# Allegro board S071AA-0413-20260427.brd (continued)
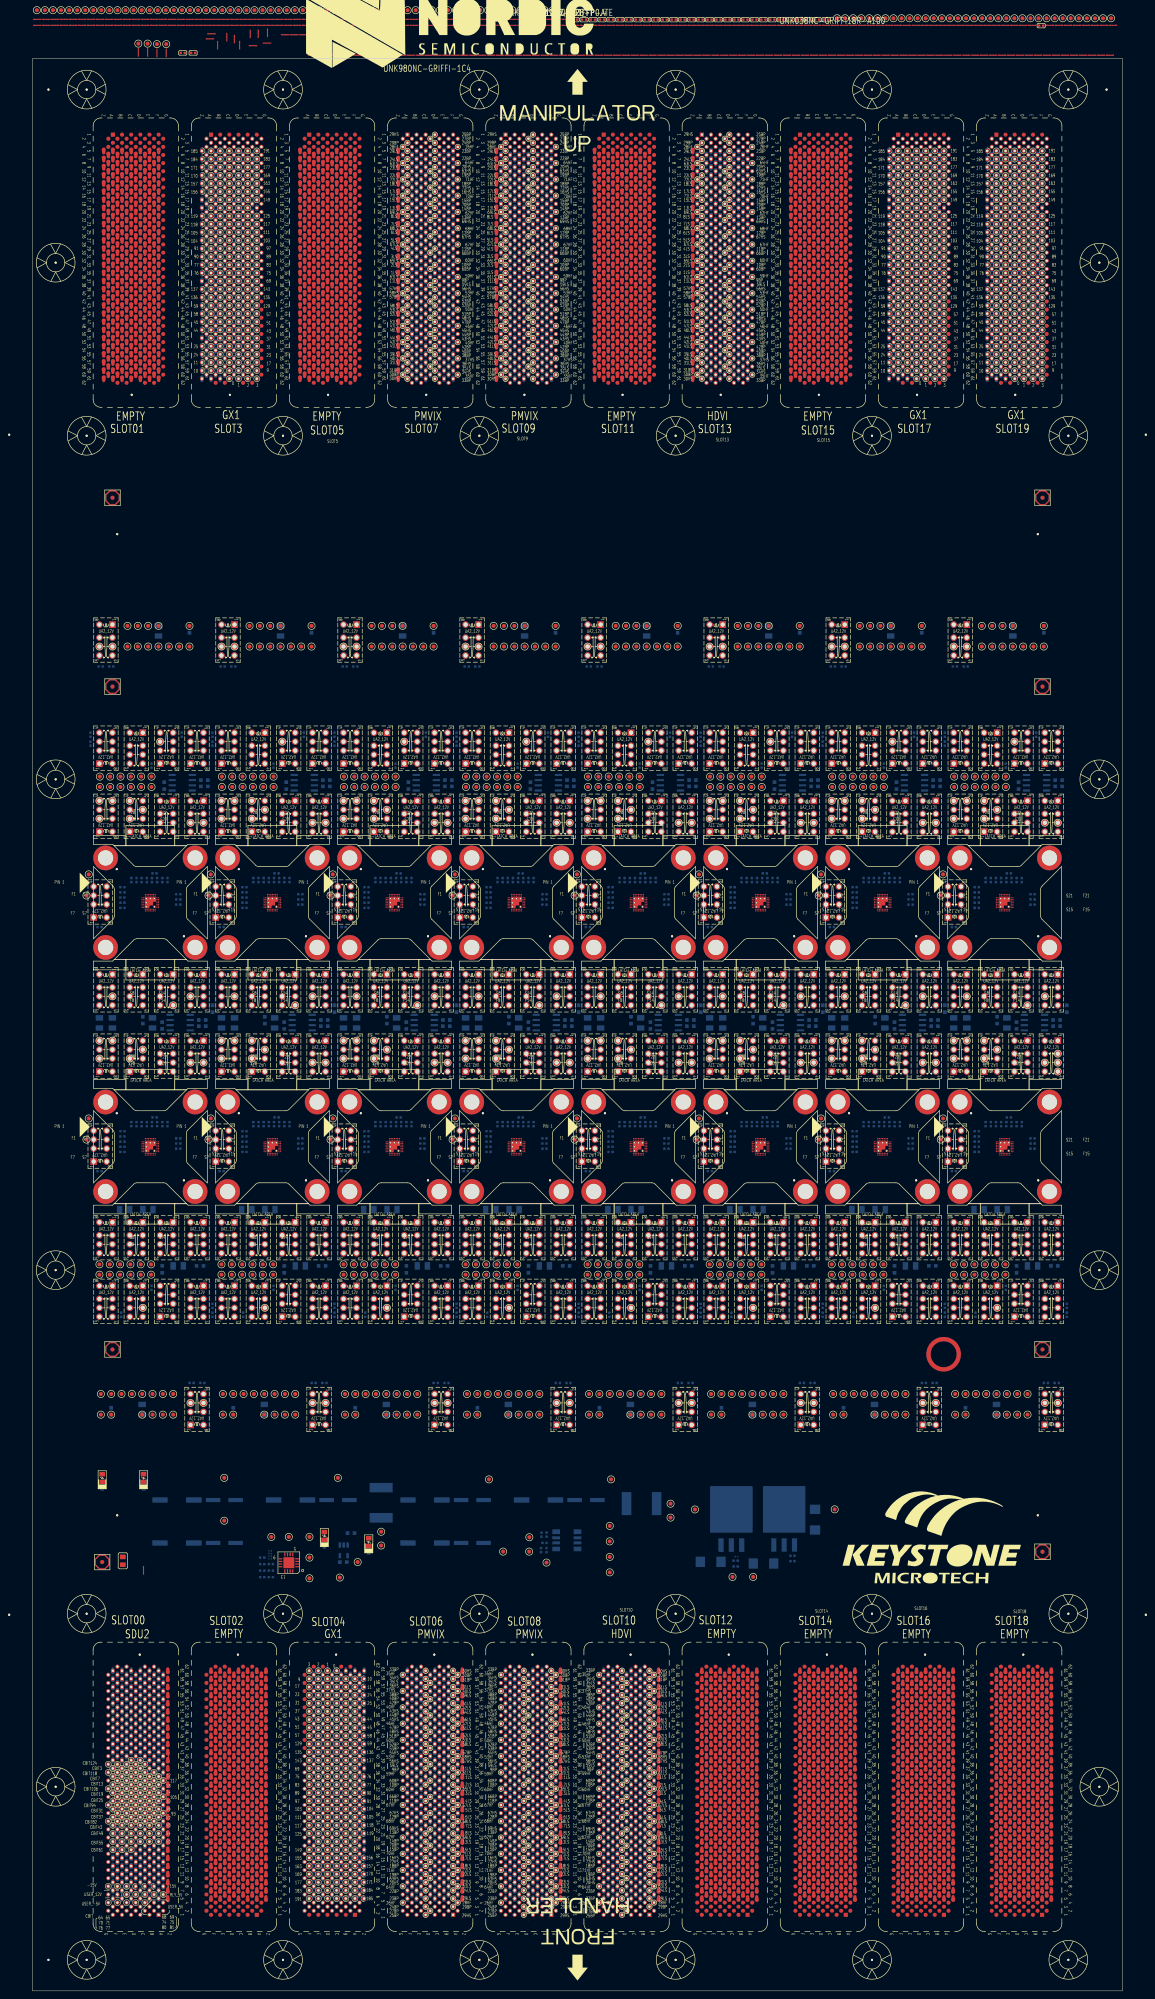
[diagram p0: board, top side]
## Placement (name value [footprint] x y rotation side) (continued)
UNK13K14  UA2-12NJ-V2  [RL_NECUA2_12V_V2]  205.53 288.54 270 bottom
UNK13R1  4.7K-1-S4-WA  [R0402]  196.51 261.49 180 bottom
UNK13R2  3.01K-0.1-S4-PAN  [R0402]  216.73 308.78 270 bottom
UNK13R3  10K-0.1-S4  [R0402]  209.26 301.18 270 bottom
UNK13R7  1K-1-S4  [R0402]  196.75 325.55 180 bottom
UNK13R8  1K-1-S4  [R0402]  199.39 325.55 0 bottom
UNK13R13  0-5-S4  [R0402]  146.61 484.56 0 top
UNK13R14  0-5-S4  [R0402]  148.82 484.56 0 top
UNK13R41  24K-0.1-S4  [R0402]  194.26 308.78 270 bottom
UNK13R42  44.2K-0.1-S4-PAN  [R0402]  194.26 306.58 270 bottom
UNK13RS1  0-5-S4  [R0402]  202.12 268.76 0 bottom
UNK13RS2  NC/0-5-S4  [R0402]  209.38 273.05 270 bottom
UNK13RS3  NC/0-5-S4  [R0402]  202.12 270.03 0 bottom
UNK13RS4  0-5-S4  [R0402]  210.65 273.05 270 bottom
UNK13RS5  0-5-S4  [R0402]  210.02 274.7 0 bottom
UNK13SH2  SHORT  [DEFAULT_SHORT_SMALL]  194.31 475.82 0 top
UNK13SH7  SHORT  [DEFAULT_SHORT_SMALL]  225.16 475.82 0 top
UNK13SH9  SHORT  [DEFAULT_SHORT_SMALL]  227.36 475.82 0 top
UNK13SH14  SHORT  [DEFAULT_SHORT_SMALL]  189.91 475.82 0 top
UNK13SH16  SHORT  [DEFAULT_SHORT_SMALL]  192.11 475.82 0 top
UNK13SH20  SHORT  [DEFAULT_SHORT_SMALL]  196.52 475.82 0 top
UNK13SH29  SHORT  [DEFAULT_SHORT_SMALL]  198.72 475.82 0 top
UNK13SH30  SHORT  [DEFAULT_SHORT_SMALL]  200.92 475.82 0 top
UNK13SH32  SHORT  [DEFAULT_SHORT_SMALL]  203.13 475.82 0 top
UNK13SH33  SHORT  [DEFAULT_SHORT_SMALL]  205.33 475.82 0 top
UNK13SH34  SHORT  [DEFAULT_SHORT_SMALL]  207.53 475.82 0 top
UNK13SH35  SHORT  [DEFAULT_SHORT_SMALL]  209.74 475.82 0 top
UNK13SH36  SHORT  [DEFAULT_SHORT_SMALL]  211.94 475.82 0 top
UNK13SH37  SHORT  [DEFAULT_SHORT_SMALL]  214.14 475.82 0 top
UNK13SH38  SHORT  [DEFAULT_SHORT_SMALL]  216.34 475.82 0 top
UNK13SH39  SHORT  [DEFAULT_SHORT_SMALL]  218.55 475.82 0 top
UNK13SH40  SHORT  [DEFAULT_SHORT_SMALL]  220.75 475.82 0 top
UNK13SH41  SHORT  [DEFAULT_SHORT_SMALL]  222.95 475.82 0 top
UNK13TP_AVSS2/TST  TP01  [TP_040_T]  193.84 274.45 0 top
UNK13TP_GPIO0  TP01  [TP_040_T]  196.57 295.94 90 top
UNK13TP_GPIO1  TP01  [TP_040_T]  196.57 298.48 270 top
UNK13TP_GPIO2  TP01  [TP_040_T]  209.27 295.94 0 top
UNK13TP_GPIO3  TP01  [TP_040_T]  209.27 298.48 270 top
UNK13TP_GPIO4  TP01  [TP_040_T]  206.73 295.94 270 top
UNK13TP_LED0  TP01  [TP_040_T]  204.19 298.48 270 top
UNK13TP_LED1  TP01  [TP_040_T]  204.19 295.94 90 top
UNK13TP_LED2  TP01  [TP_040_T]  206.73 298.48 270 top
UNK13TP_LSIN1_F  TP01  [TP_040_T]  210.99 330.46 0 top
UNK13TP_LSIN1_G  TP01  [TP_040_T]  237.41 484.9 0 top
UNK13TP_LSIN1_S  TP01  [TP_040_T]  208.45 330.46 0 top
UNK13TP_LSIN2/NCHGEN_F  TP01  [TP_040_T]  210.99 335.54 0 top
UNK13TP_LSIN2/NCHGEN_G  TP01  [TP_040_T]  239.39 484.9 0 top
UNK13TP_LSIN2/NCHGEN_S  TP01  [TP_040_T]  208.45 335.54 0 top
UNK13TP_LSOUT1_F  TP01  [TP_040_T]  199.67 244.47 180 top
UNK13TP_LSOUT1_G  TP01  [TP_040_T]  241.37 484.9 0 top
UNK13TP_LSOUT1_S  TP01  [TP_040_T]  201.65 298.48 270 top
UNK13TP_LSOUT2/SUSPEND1_G  TP01  [TP_040_T]  243.35 484.9 0 top
UNK13TP_LSOUT2/SUSPEND1_S  TP01  [TP_040_T]  201.65 295.94 0 top
UNK13TP_LSOUT2/SUSPEND_F  TP01  [TP_040_T]  218.86 244.47 180 top
UNK13TP_NCHG/ATB0_F  TP01  [TP_040_T]  203.93 292.54 0 top
UNK13TP_NCHG/ATB0_G  TP01  [TP_040_T]  203.93 288.14 0 top
UNK13TP_NCHG/ATB0_S  TP01  [TP_040_T]  207.13 290.34 0 top
UNK13TP_NPG/ATB1_F  TP01  [TP_040_T]  196.47 292.54 0 top
UNK13TP_NPG/ATB1_G  TP01  [TP_040_T]  196.47 288.14 0 top
UNK13TP_NPG/ATB1_S  TP01  [TP_040_T]  199.67 292.54 0 top
UNK13TP_NTC  TP01  [TP_040_T]  211.39 307.08 180 top
UNK13TP_REF_5V  TP01  [TP_040_T]  214.59 242.27 180 top
UNK13TP_SCL  TP01  [TP_040_T]  196.47 330.46 0 top
UNK13TP_SDA  TP01  [TP_040_T]  199.67 330.46 0 top
UNK13TP_SHPHLD_F  TP01  [TP_040_T]  199.11 298.48 270 top
UNK13TP_SHPHLD_S  TP01  [TP_040_T]  199.11 295.94 90 top
UNK13TP_SW_F  TP01  [TP_040_T]  216.07 330.46 0 top
UNK13TP_SW_S  TP01  [TP_040_T]  213.53 330.46 0 top
UNK13TP_VBAT_F  TP01  [TP_040_T]  222.06 287.14 0 top
UNK13TP_VBAT_S  TP01  [TP_040_T]  218.86 287.14 0 top
UNK13TP_VBUS_F  TP01  [TP_040_T]  203.37 330.46 0 top
UNK13TP_VBUS_S  TP01  [TP_040_T]  205.91 330.46 0 top
UNK13TP_VDDIO_F  TP01  [TP_040_T]  218.61 335.54 0 top
UNK13TP_VDDIO_S  TP01  [TP_040_T]  245.34 484.9 0 top
UNK13TP_VEST  TP01  [TP_040_T]  193.28 269.26 0 top
UNK13TP_VOUT_F  TP01  [TP_040_T]  247.32 484.9 0 top
UNK13TP_VOUT_S  TP01  [TP_040_T]  218.61 330.46 0 top
UNK13TP_VSYS_F  TP01  [TP_040_T]  205.91 335.54 0 top
UNK13TP_VSYS_S  TP01  [TP_040_T]  203.37 335.54 0 top
UNK13U1  ADR4550BRZ-SOIC8  [SO8_195X127MM]  216.83 296.98 180 bottom
UNK14C1  1U-6.3-X7R-S6-MU  [C0603]  199.36 142.49 90 bottom
UNK14C2  2.2U-25-X8R-SA-TDK  [C1206]  215.84 178.21 180 bottom
UNK14C3  10U-6.3-X7R-S6-SS  [C0603]  211.91 177.36 270 bottom
UNK14C4  2.2U-25-X8R-SA-TDK  [C1206]  208.38 192.05 180 bottom
UNK14C5  2.2U-25-X8R-SA-TDK  [C1206]  202.68 192.05 0 bottom
UNK14C6  4.7U-6.3-X-S6  [C0603]  221.21 178.21 180 bottom
UNK14C7  0.1U-25-X7R-S6-YA  [C0603]  221.75 238.65 0 bottom
UNK14C8  1U-50-X7R-S6-TY  [C0603]  221.75 237.13 0 bottom
UNK14C9  0.1U-25-X7R-S6-YA  [C0603]  211.9 237.3 270 bottom
UNK14C12  2.2U-25-X8R-SA-TDK  [C1206]  206.98 142.89 90 bottom
UNK14CS1  CNC-S4  [C0402]  202.12 211.3 180 bottom
UNK14CS4  CNC-S4  [C0402]  202.12 207.49 0 bottom
UNK14CS5  CNC-S4  [C0402]  202.12 206.22 0 bottom
UNK14CS19  CNC-S4  [C0402]  215.85 207.02 0 bottom
UNK14CS20  CNC-S4  [C0402]  215.85 208.29 0 bottom
UNK14CS21  CNC-S4  [C0402]  215.85 209.56 0 bottom
UNK14CS22  CNC-S4  [C0402]  213.19 213.05 90 bottom
UNK14CS23  CNC-S4  [C0402]  211.92 213.05 90 bottom
UNK14CS25  CNC-S4  [C0402]  208.11 213.05 90 bottom
UNK14CS26  CNC-S4  [C0402]  206.84 213.05 270 bottom
UNK14CS27  CNC-S4  [C0402]  205.57 213.05 270 bottom
UNK14CS28  CNC-S4  [C0402]  204.3 213.05 90 bottom
UNK14K1  UA2-12NJ-V2  [RL_NECUA2_12V_V2]  212.99 185.33 90 bottom
UNK14K2  UA2-12NJ-V2  [RL_NECUA2_12V_V2]  205.53 185.33 90 bottom
UNK14K3  UA2-12NJ-V2  [RL_NECUA2_12V_V2]  196.66 207.46 270 bottom
UNK14K4  UA2-12NJ-V2  [RL_NECUA2_12V_V2]  205.53 169.7 90 bottom
UNK14K5  UA2-12NJ-V2  [RL_NECUA2_12V_V2]  198.07 169.7 90 bottom
UNK14K6  UA2-12NJ-V2  [RL_NECUA2_12V_V2]  212.99 169.3 270 bottom
UNK14K7  UA2-12NJ-V2  [RL_NECUA2_12V_V2]  220.46 169.7 90 bottom
UNK14K8  UA2-12NJ-V2  [RL_NECUA2_12V_V2]  198.07 185.33 90 bottom
UNK14K9  UA2-12NJ-V2  [RL_NECUA2_12V_V2]  220.46 142.72 270 bottom
UNK14K10  UA2-12NJ-V2  [RL_NECUA2_12V_V2]  220.46 185.33 90 bottom
UNK14K11  UA2-12NJ-V2  [RL_NECUA2_12V_V2]  212.99 229.98 90 bottom
UNK14K12  UA2-12NJ-V2  [RL_NECUA2_12V_V2]  220.46 229.98 90 bottom
UNK14K13  UA2-12NJ-V2  [RL_NECUA2_12V_V2]  198.07 229.58 270 bottom
UNK14K14  UA2-12NJ-V2  [RL_NECUA2_12V_V2]  205.53 229.58 270 bottom
UNK14R1  4.7K-1-S4-WA  [R0402]  196.51 201.49 180 bottom
UNK14R2  3.01K-0.1-S4-PAN  [R0402]  201.8 166.2 90 bottom
UNK14R3  10K-0.1-S4  [R0402]  209.26 172.8 270 bottom
UNK14R7  1K-1-S4  [R0402]  221.78 149.43 0 bottom
UNK14R8  1K-1-S4  [R0402]  219.14 149.43 180 bottom
UNK14R13  0-5-S4  [R0402]  151.02 484.56 0 top
UNK14R14  0-5-S4  [R0402]  153.22 484.56 0 top
UNK14R41  24K-0.1-S4  [R0402]  224.26 166.2 90 bottom
UNK14R42  44.2K-0.1-S4-PAN  [R0402]  224.26 168.4 90 bottom
UNK14RS1  0-5-S4  [R0402]  202.12 208.76 0 bottom
UNK14RS2  NC/0-5-S4  [R0402]  209.38 213.05 270 bottom
UNK14RS3  NC/0-5-S4  [R0402]  202.12 210.03 0 bottom
UNK14RS4  0-5-S4  [R0402]  210.65 213.05 270 bottom
UNK14RS5  0-5-S4  [R0402]  210.02 214.7 0 bottom
UNK14SH2  SHORT  [DEFAULT_SHORT_SMALL]  233.97 475.82 0 top
UNK14SH7  SHORT  [DEFAULT_SHORT_SMALL]  264.82 475.82 0 top
UNK14SH9  SHORT  [DEFAULT_SHORT_SMALL]  1.2 483.17 0 top
UNK14SH14  SHORT  [DEFAULT_SHORT_SMALL]  229.56 475.82 0 top
UNK14SH16  SHORT  [DEFAULT_SHORT_SMALL]  231.77 475.82 0 top
UNK14SH20  SHORT  [DEFAULT_SHORT_SMALL]  236.17 475.82 0 top
UNK14SH29  SHORT  [DEFAULT_SHORT_SMALL]  238.38 475.82 0 top
UNK14SH30  SHORT  [DEFAULT_SHORT_SMALL]  240.58 475.82 0 top
UNK14SH32  SHORT  [DEFAULT_SHORT_SMALL]  242.78 475.82 0 top
UNK14SH33  SHORT  [DEFAULT_SHORT_SMALL]  244.99 475.82 0 top
UNK14SH34  SHORT  [DEFAULT_SHORT_SMALL]  247.19 475.82 0 top
UNK14SH35  SHORT  [DEFAULT_SHORT_SMALL]  249.39 475.82 0 top
UNK14SH36  SHORT  [DEFAULT_SHORT_SMALL]  251.6 475.82 0 top
UNK14SH37  SHORT  [DEFAULT_SHORT_SMALL]  253.8 475.82 0 top
UNK14SH38  SHORT  [DEFAULT_SHORT_SMALL]  256 475.82 0 top
UNK14SH39  SHORT  [DEFAULT_SHORT_SMALL]  258.21 475.82 0 top
UNK14SH40  SHORT  [DEFAULT_SHORT_SMALL]  260.41 475.82 0 top
UNK14SH41  SHORT  [DEFAULT_SHORT_SMALL]  262.61 475.82 0 top
UNK14TP_AVSS2/TST  TP01  [TP_040_T]  193.84 214.45 0 top
UNK14TP_GPIO0  TP01  [TP_040_T]  209.17 178.59 270 top
UNK14TP_GPIO1  TP01  [TP_040_T]  209.17 176.05 90 top
UNK14TP_GPIO2  TP01  [TP_040_T]  196.47 178.59 180 top
UNK14TP_GPIO3  TP01  [TP_040_T]  196.47 176.05 90 top
UNK14TP_GPIO4  TP01  [TP_040_T]  199.01 178.59 90 top
UNK14TP_LED0  TP01  [TP_040_T]  201.55 176.05 90 top
UNK14TP_LED1  TP01  [TP_040_T]  201.55 178.59 270 top
UNK14TP_LED2  TP01  [TP_040_T]  199.01 176.05 90 top
UNK14TP_LSIN1_F  TP01  [TP_040_T]  206.98 146.72 180 top
UNK14TP_LSIN1_G  TP01  [TP_040_T]  249.3 484.9 0 top
UNK14TP_LSIN1_S  TP01  [TP_040_T]  209.52 146.72 180 top
UNK14TP_LSIN2/NCHGEN_F  TP01  [TP_040_T]  206.98 141.64 180 top
UNK14TP_LSIN2/NCHGEN_G  TP01  [TP_040_T]  251.28 484.9 0 top
UNK14TP_LSIN2/NCHGEN_S  TP01  [TP_040_T]  209.52 141.64 180 top
UNK14TP_LSOUT1_F  TP01  [TP_040_T]  253.26 484.9 0 top
UNK14TP_LSOUT1_G  TP01  [TP_040_T]  255.24 484.9 0 top
UNK14TP_LSOUT1_S  TP01  [TP_040_T]  204.09 176.05 90 top
UNK14TP_LSOUT2/SUSPEND1_G  TP01  [TP_040_T]  257.22 484.9 0 top
UNK14TP_LSOUT2/SUSPEND1_S  TP01  [TP_040_T]  204.09 178.59 180 top
UNK14TP_LSOUT2/SUSPEND_F  TP01  [TP_040_T]  259.2 484.9 0 top
UNK14TP_NCHG/ATB0_F  TP01  [TP_040_T]  203.93 233.58 0 top
UNK14TP_NCHG/ATB0_G  TP01  [TP_040_T]  203.93 229.18 0 top
UNK14TP_NCHG/ATB0_S  TP01  [TP_040_T]  207.13 231.38 0 top
UNK14TP_NPG/ATB1_F  TP01  [TP_040_T]  196.47 233.58 0 top
UNK14TP_NPG/ATB1_G  TP01  [TP_040_T]  196.47 229.18 0 top
UNK14TP_NPG/ATB1_S  TP01  [TP_040_T]  199.67 233.58 0 top
UNK14TP_NTC  TP01  [TP_040_T]  207.13 167.9 0 top
UNK14TP_REF_5V  TP01  [TP_040_T]  261.18 484.9 0 top
UNK14TP_SCL  TP01  [TP_040_T]  222.06 144.52 180 top
UNK14TP_SDA  TP01  [TP_040_T]  218.86 144.52 180 top
UNK14TP_SHPHLD_F  TP01  [TP_040_T]  206.63 176.05 90 top
UNK14TP_SHPHLD_S  TP01  [TP_040_T]  206.63 178.59 270 top
UNK14TP_SW_F  TP01  [TP_040_T]  201.9 146.72 180 top
UNK14TP_SW_S  TP01  [TP_040_T]  204.44 146.72 180 top
UNK14TP_VBAT_F  TP01  [TP_040_T]  222.06 228.18 0 top
UNK14TP_VBAT_S  TP01  [TP_040_T]  218.86 228.18 0 top
UNK14TP_VBUS_F  TP01  [TP_040_T]  214.6 146.72 180 top
UNK14TP_VBUS_S  TP01  [TP_040_T]  212.06 146.72 180 top
UNK14TP_VDDIO_F  TP01  [TP_040_T]  199.36 141.64 180 top
UNK14TP_VDDIO_S  TP01  [TP_040_T]  196.82 141.64 180 top
UNK14TP_VEST  TP01  [TP_040_T]  193.28 209.26 0 top
UNK14TP_VOUT_F  TP01  [TP_040_T]  196.82 146.72 180 top
UNK14TP_VOUT_S  TP01  [TP_040_T]  199.36 146.72 180 top
UNK14TP_VSYS_F  TP01  [TP_040_T]  212.06 141.64 180 top
UNK14TP_VSYS_S  TP01  [TP_040_T]  214.6 141.64 180 top
UNK14U1  ADR4550BRZ-SOIC8  [SO8_195X127MM]  216.32 238.02 180 bottom
UNK15C1  1U-6.3-X7R-S6-MU  [C0603]  248.61 334.69 270 bottom
UNK15C2  2.2U-25-X8R-SA-TDK  [C1206]  239.52 237.92 90 bottom
UNK15C3  10U-6.3-X7R-S6-SS  [C0603]  237.13 238.61 270 bottom
UNK15C4  2.2U-25-X8R-SA-TDK  [C1206]  229.67 237.92 90 bottom
UNK15C5  2.2U-25-X8R-SA-TDK  [C1206]  226.47 237.92 270 bottom
UNK15C6  4.7U-6.3-X-S6  [C0603]  254.26 241.42 270 bottom
UNK15C7  0.1U-25-X7R-S6-YA  [C0603]  252.25 297.61 0 bottom
UNK15C8  1U-50-X7R-S6-TY  [C0603]  252.25 296.09 0 bottom
UNK15C9  0.1U-25-X7R-S6-YA  [C0603]  242.41 296.26 270 bottom
UNK15C12  2.2U-25-X8R-SA-TDK  [C1206]  240.99 334.29 270 bottom
UNK15CS1  CNC-S4  [C0402]  232.12 271.3 180 bottom
UNK15CS4  CNC-S4  [C0402]  232.12 267.49 0 bottom
UNK15CS5  CNC-S4  [C0402]  232.12 266.22 0 bottom
UNK15CS19  CNC-S4  [C0402]  245.85 267.02 0 bottom
UNK15CS20  CNC-S4  [C0402]  245.85 268.29 0 bottom
UNK15CS21  CNC-S4  [C0402]  245.85 269.56 0 bottom
UNK15CS22  CNC-S4  [C0402]  243.19 273.05 90 bottom
UNK15CS23  CNC-S4  [C0402]  241.92 273.05 90 bottom
UNK15CS25  CNC-S4  [C0402]  238.11 273.05 90 bottom
UNK15CS26  CNC-S4  [C0402]  236.84 273.05 270 bottom
UNK15CS27  CNC-S4  [C0402]  235.57 273.05 270 bottom
UNK15CS28  CNC-S4  [C0402]  234.3 273.05 90 bottom
UNK15K1  UA2-12NJ-V2  [RL_NECUA2_12V_V2]  242.99 246.27 90 bottom
UNK15K2  UA2-12NJ-V2  [RL_NECUA2_12V_V2]  235.53 246.27 90 bottom
UNK15K3  UA2-12NJ-V2  [RL_NECUA2_12V_V2]  226.66 267.46 270 bottom
UNK15K4  UA2-12NJ-V2  [RL_NECUA2_12V_V2]  242.99 305.28 270 bottom
UNK15K5  UA2-12NJ-V2  [RL_NECUA2_12V_V2]  250.46 305.28 270 bottom
UNK15K6  UA2-12NJ-V2  [RL_NECUA2_12V_V2]  235.53 305.68 90 bottom
UNK15K7  UA2-12NJ-V2  [RL_NECUA2_12V_V2]  228.07 305.28 270 bottom
UNK15K8  UA2-12NJ-V2  [RL_NECUA2_12V_V2]  228.07 246.27 90 bottom
UNK15K9  UA2-12NJ-V2  [RL_NECUA2_12V_V2]  228.07 332.26 90 bottom
UNK15K10  UA2-12NJ-V2  [RL_NECUA2_12V_V2]  242.99 288.94 90 bottom
UNK15K11  UA2-12NJ-V2  [RL_NECUA2_12V_V2]  250.46 246.27 90 bottom
UNK15K12  UA2-12NJ-V2  [RL_NECUA2_12V_V2]  250.46 288.94 90 bottom
UNK15K13  UA2-12NJ-V2  [RL_NECUA2_12V_V2]  228.07 288.54 270 bottom
UNK15K14  UA2-12NJ-V2  [RL_NECUA2_12V_V2]  235.53 288.54 270 bottom
UNK15R1  4.7K-1-S4-WA  [R0402]  226.51 261.49 180 bottom
UNK15R2  3.01K-0.1-S4-PAN  [R0402]  246.73 308.78 270 bottom
UNK15R3  10K-0.1-S4  [R0402]  239.26 301.18 270 bottom
UNK15R7  1K-1-S4  [R0402]  226.75 325.55 180 bottom
UNK15R8  1K-1-S4  [R0402]  229.39 325.55 0 bottom
UNK15R13  0-5-S4  [R0402]  155.43 484.56 0 top
UNK15R14  0-5-S4  [R0402]  157.63 484.56 0 top
UNK15R41  24K-0.1-S4  [R0402]  224.26 308.78 270 bottom
UNK15R42  44.2K-0.1-S4-PAN  [R0402]  224.26 306.58 270 bottom
UNK15RS1  0-5-S4  [R0402]  232.12 268.76 0 bottom
UNK15RS2  NC/0-5-S4  [R0402]  239.38 273.05 270 bottom
UNK15RS3  NC/0-5-S4  [R0402]  232.12 270.03 0 bottom
UNK15RS4  0-5-S4  [R0402]  240.65 273.05 270 bottom
UNK15RS5  0-5-S4  [R0402]  240.02 274.7 0 bottom
UNK15SH2  SHORT  [DEFAULT_SHORT_SMALL]  7.81 483.17 0 top
UNK15SH7  SHORT  [DEFAULT_SHORT_SMALL]  38.66 483.17 0 top
UNK15SH9  SHORT  [DEFAULT_SHORT_SMALL]  40.86 483.17 0 top
UNK15SH14  SHORT  [DEFAULT_SHORT_SMALL]  3.41 483.17 0 top
UNK15SH16  SHORT  [DEFAULT_SHORT_SMALL]  5.61 483.17 0 top
UNK15SH20  SHORT  [DEFAULT_SHORT_SMALL]  10.02 483.17 0 top
UNK15SH29  SHORT  [DEFAULT_SHORT_SMALL]  12.22 483.17 0 top
UNK15SH30  SHORT  [DEFAULT_SHORT_SMALL]  14.42 483.17 0 top
UNK15SH32  SHORT  [DEFAULT_SHORT_SMALL]  16.63 483.17 0 top
UNK15SH33  SHORT  [DEFAULT_SHORT_SMALL]  18.83 483.17 0 top
UNK15SH34  SHORT  [DEFAULT_SHORT_SMALL]  21.03 483.17 0 top
UNK15SH35  SHORT  [DEFAULT_SHORT_SMALL]  23.24 483.17 0 top
UNK15SH36  SHORT  [DEFAULT_SHORT_SMALL]  25.44 483.17 0 top
UNK15SH37  SHORT  [DEFAULT_SHORT_SMALL]  27.64 483.17 0 top
UNK15SH38  SHORT  [DEFAULT_SHORT_SMALL]  29.84 483.17 0 top
UNK15SH39  SHORT  [DEFAULT_SHORT_SMALL]  32.05 483.17 0 top
UNK15SH40  SHORT  [DEFAULT_SHORT_SMALL]  34.25 483.17 0 top
UNK15SH41  SHORT  [DEFAULT_SHORT_SMALL]  36.45 483.17 0 top
UNK15TP_AVSS2/TST  TP01  [TP_040_T]  223.84 274.45 0 top
UNK15TP_GPIO0  TP01  [TP_040_T]  226.57 295.94 90 top
UNK15TP_GPIO1  TP01  [TP_040_T]  226.57 298.48 270 top
UNK15TP_GPIO2  TP01  [TP_040_T]  239.27 295.94 0 top
UNK15TP_GPIO3  TP01  [TP_040_T]  239.27 298.48 270 top
UNK15TP_GPIO4  TP01  [TP_040_T]  236.73 295.94 270 top
UNK15TP_LED0  TP01  [TP_040_T]  234.19 298.48 270 top
UNK15TP_LED1  TP01  [TP_040_T]  234.19 295.94 90 top
UNK15TP_LED2  TP01  [TP_040_T]  236.73 298.48 270 top
UNK15TP_LSIN1_F  TP01  [TP_040_T]  240.99 330.46 0 top
UNK15TP_LSIN1_G  TP01  [TP_040_T]  263.17 484.9 0 top
UNK15TP_LSIN1_S  TP01  [TP_040_T]  238.45 330.46 0 top
UNK15TP_LSIN2/NCHGEN_F  TP01  [TP_040_T]  240.99 335.54 0 top
UNK15TP_LSIN2/NCHGEN_G  TP01  [TP_040_T]  265.15 484.9 0 top
UNK15TP_LSIN2/NCHGEN_S  TP01  [TP_040_T]  238.45 335.54 0 top
UNK15TP_LSOUT1_F  TP01  [TP_040_T]  229.67 244.47 180 top
UNK15TP_LSOUT1_G  TP01  [TP_040_T]  1.09 486.88 0 top
UNK15TP_LSOUT1_S  TP01  [TP_040_T]  231.65 298.48 270 top
UNK15TP_LSOUT2/SUSPEND1_G  TP01  [TP_040_T]  3.07 486.88 0 top
UNK15TP_LSOUT2/SUSPEND1_S  TP01  [TP_040_T]  231.65 295.94 0 top
UNK15TP_LSOUT2/SUSPEND_F  TP01  [TP_040_T]  248.86 244.47 180 top
UNK15TP_NCHG/ATB0_F  TP01  [TP_040_T]  233.93 292.54 0 top
UNK15TP_NCHG/ATB0_G  TP01  [TP_040_T]  233.93 288.14 0 top
UNK15TP_NCHG/ATB0_S  TP01  [TP_040_T]  237.13 290.34 0 top
UNK15TP_NPG/ATB1_F  TP01  [TP_040_T]  226.47 292.54 0 top
UNK15TP_NPG/ATB1_G  TP01  [TP_040_T]  226.47 288.14 0 top
UNK15TP_NPG/ATB1_S  TP01  [TP_040_T]  229.67 292.54 0 top
UNK15TP_NTC  TP01  [TP_040_T]  241.39 307.08 180 top
UNK15TP_REF_5V  TP01  [TP_040_T]  244.59 242.27 180 top
UNK15TP_SCL  TP01  [TP_040_T]  226.47 330.46 0 top
UNK15TP_SDA  TP01  [TP_040_T]  229.67 330.46 0 top
UNK15TP_SHPHLD_F  TP01  [TP_040_T]  229.11 298.48 270 top
UNK15TP_SHPHLD_S  TP01  [TP_040_T]  229.11 295.94 90 top
UNK15TP_SW_F  TP01  [TP_040_T]  246.07 330.46 0 top
UNK15TP_SW_S  TP01  [TP_040_T]  243.53 330.46 0 top
UNK15TP_VBAT_F  TP01  [TP_040_T]  252.06 287.14 0 top
UNK15TP_VBAT_S  TP01  [TP_040_T]  248.86 287.14 0 top
UNK15TP_VBUS_F  TP01  [TP_040_T]  233.37 330.46 0 top
UNK15TP_VBUS_S  TP01  [TP_040_T]  235.91 330.46 0 top
UNK15TP_VDDIO_F  TP01  [TP_040_T]  248.61 335.54 0 top
UNK15TP_VDDIO_S  TP01  [TP_040_T]  5.05 486.88 0 top
UNK15TP_VEST  TP01  [TP_040_T]  223.28 269.26 0 top
UNK15TP_VOUT_F  TP01  [TP_040_T]  7.04 486.88 0 top
UNK15TP_VOUT_S  TP01  [TP_040_T]  248.61 330.46 0 top
UNK15TP_VSYS_F  TP01  [TP_040_T]  235.91 335.54 0 top
UNK15TP_VSYS_S  TP01  [TP_040_T]  233.37 335.54 0 top
UNK15U1  ADR4550BRZ-SOIC8  [SO8_195X127MM]  246.83 296.98 180 bottom
UNK16C1  1U-6.3-X7R-S6-MU  [C0603]  229.36 142.49 90 bottom
UNK16C2  2.2U-25-X8R-SA-TDK  [C1206]  245.84 178.21 180 bottom
UNK16C3  10U-6.3-X7R-S6-SS  [C0603]  241.91 177.36 270 bottom
UNK16C4  2.2U-25-X8R-SA-TDK  [C1206]  238.38 192.05 180 bottom
UNK16C5  2.2U-25-X8R-SA-TDK  [C1206]  232.68 192.05 0 bottom
UNK16C6  4.7U-6.3-X-S6  [C0603]  251.21 178.21 180 bottom
UNK16C7  0.1U-25-X7R-S6-YA  [C0603]  251.74 238.65 0 bottom
UNK16C8  1U-50-X7R-S6-TY  [C0603]  251.74 237.13 0 bottom
UNK16C9  0.1U-25-X7R-S6-YA  [C0603]  241.9 237.3 270 bottom
UNK16C12  2.2U-25-X8R-SA-TDK  [C1206]  236.98 142.89 90 bottom
UNK16CS1  CNC-S4  [C0402]  232.12 211.3 180 bottom
UNK16CS4  CNC-S4  [C0402]  232.12 207.49 0 bottom
UNK16CS5  CNC-S4  [C0402]  232.12 206.22 0 bottom
UNK16CS19  CNC-S4  [C0402]  245.85 207.02 0 bottom
UNK16CS20  CNC-S4  [C0402]  245.85 208.29 0 bottom
UNK16CS21  CNC-S4  [C0402]  245.85 209.56 0 bottom
UNK16CS22  CNC-S4  [C0402]  243.19 213.05 90 bottom
UNK16CS23  CNC-S4  [C0402]  241.92 213.05 90 bottom
UNK16CS25  CNC-S4  [C0402]  238.11 213.05 90 bottom
UNK16CS26  CNC-S4  [C0402]  236.84 213.05 270 bottom
UNK16CS27  CNC-S4  [C0402]  235.57 213.05 270 bottom
UNK16CS28  CNC-S4  [C0402]  234.3 213.05 90 bottom
UNK16K1  UA2-12NJ-V2  [RL_NECUA2_12V_V2]  242.99 185.33 90 bottom
UNK16K2  UA2-12NJ-V2  [RL_NECUA2_12V_V2]  235.53 185.33 90 bottom
UNK16K3  UA2-12NJ-V2  [RL_NECUA2_12V_V2]  226.66 207.46 270 bottom
UNK16K4  UA2-12NJ-V2  [RL_NECUA2_12V_V2]  235.53 169.7 90 bottom
UNK16K5  UA2-12NJ-V2  [RL_NECUA2_12V_V2]  228.07 169.7 90 bottom
UNK16K6  UA2-12NJ-V2  [RL_NECUA2_12V_V2]  242.99 169.3 270 bottom
UNK16K7  UA2-12NJ-V2  [RL_NECUA2_12V_V2]  250.46 169.7 90 bottom
UNK16K8  UA2-12NJ-V2  [RL_NECUA2_12V_V2]  228.07 185.33 90 bottom
UNK16K9  UA2-12NJ-V2  [RL_NECUA2_12V_V2]  250.46 142.72 270 bottom
UNK16K10  UA2-12NJ-V2  [RL_NECUA2_12V_V2]  250.46 185.33 90 bottom
UNK16K11  UA2-12NJ-V2  [RL_NECUA2_12V_V2]  242.99 229.98 90 bottom
UNK16K12  UA2-12NJ-V2  [RL_NECUA2_12V_V2]  250.46 229.98 90 bottom
UNK16K13  UA2-12NJ-V2  [RL_NECUA2_12V_V2]  228.07 229.58 270 bottom
UNK16K14  UA2-12NJ-V2  [RL_NECUA2_12V_V2]  235.53 229.58 270 bottom
UNK16R1  4.7K-1-S4-WA  [R0402]  226.51 201.49 180 bottom
UNK16R2  3.01K-0.1-S4-PAN  [R0402]  231.8 166.2 90 bottom
UNK16R3  10K-0.1-S4  [R0402]  239.26 172.8 270 bottom
UNK16R7  1K-1-S4  [R0402]  251.78 149.43 0 bottom
UNK16R8  1K-1-S4  [R0402]  249.14 149.43 180 bottom
UNK16R13  0-5-S4  [R0402]  159.83 484.56 0 top
UNK16R14  0-5-S4  [R0402]  162.04 484.56 0 top
UNK16R41  24K-0.1-S4  [R0402]  254.26 166.2 90 bottom
UNK16R42  44.2K-0.1-S4-PAN  [R0402]  254.26 168.4 90 bottom
UNK16RS1  0-5-S4  [R0402]  232.12 208.76 0 bottom
UNK16RS2  NC/0-5-S4  [R0402]  239.38 213.05 270 bottom
UNK16RS3  NC/0-5-S4  [R0402]  232.12 210.03 0 bottom
UNK16RS4  0-5-S4  [R0402]  240.65 213.05 270 bottom
UNK16RS5  0-5-S4  [R0402]  240.02 214.7 0 bottom
UNK16SH2  SHORT  [DEFAULT_SHORT_SMALL]  47.47 483.17 0 top
UNK16SH7  SHORT  [DEFAULT_SHORT_SMALL]  78.32 483.17 0 top
UNK16SH9  SHORT  [DEFAULT_SHORT_SMALL]  80.52 483.17 0 top
UNK16SH14  SHORT  [DEFAULT_SHORT_SMALL]  43.06 483.17 0 top
UNK16SH16  SHORT  [DEFAULT_SHORT_SMALL]  45.27 483.17 0 top
UNK16SH20  SHORT  [DEFAULT_SHORT_SMALL]  49.67 483.17 0 top
UNK16SH29  SHORT  [DEFAULT_SHORT_SMALL]  51.88 483.17 0 top
UNK16SH30  SHORT  [DEFAULT_SHORT_SMALL]  54.08 483.17 0 top
UNK16SH32  SHORT  [DEFAULT_SHORT_SMALL]  56.28 483.17 0 top
UNK16SH33  SHORT  [DEFAULT_SHORT_SMALL]  58.49 483.17 0 top
UNK16SH34  SHORT  [DEFAULT_SHORT_SMALL]  60.69 483.17 0 top
UNK16SH35  SHORT  [DEFAULT_SHORT_SMALL]  62.89 483.17 0 top
UNK16SH36  SHORT  [DEFAULT_SHORT_SMALL]  65.1 483.17 0 top
UNK16SH37  SHORT  [DEFAULT_SHORT_SMALL]  67.3 483.17 0 top
UNK16SH38  SHORT  [DEFAULT_SHORT_SMALL]  69.5 483.17 0 top
UNK16SH39  SHORT  [DEFAULT_SHORT_SMALL]  71.71 483.17 0 top
UNK16SH40  SHORT  [DEFAULT_SHORT_SMALL]  73.91 483.17 0 top
UNK16SH41  SHORT  [DEFAULT_SHORT_SMALL]  76.11 483.17 0 top
UNK16TP_AVSS2/TST  TP01  [TP_040_T]  223.84 214.45 0 top
UNK16TP_GPIO0  TP01  [TP_040_T]  239.17 178.59 270 top
UNK16TP_GPIO1  TP01  [TP_040_T]  239.17 176.05 90 top
UNK16TP_GPIO2  TP01  [TP_040_T]  226.47 178.59 180 top
UNK16TP_GPIO3  TP01  [TP_040_T]  226.47 176.05 90 top
UNK16TP_GPIO4  TP01  [TP_040_T]  229.01 178.59 90 top
UNK16TP_LED0  TP01  [TP_040_T]  231.55 176.05 90 top
UNK16TP_LED1  TP01  [TP_040_T]  231.55 178.59 270 top
UNK16TP_LED2  TP01  [TP_040_T]  229.01 176.05 90 top
UNK16TP_LSIN1_F  TP01  [TP_040_T]  236.98 146.72 180 top
UNK16TP_LSIN1_G  TP01  [TP_040_T]  9.02 486.88 0 top
UNK16TP_LSIN1_S  TP01  [TP_040_T]  239.52 146.72 180 top
UNK16TP_LSIN2/NCHGEN_F  TP01  [TP_040_T]  236.98 141.64 180 top
UNK16TP_LSIN2/NCHGEN_G  TP01  [TP_040_T]  11 486.88 0 top
UNK16TP_LSIN2/NCHGEN_S  TP01  [TP_040_T]  239.52 141.64 180 top
UNK16TP_LSOUT1_F  TP01  [TP_040_T]  12.98 486.88 0 top
UNK16TP_LSOUT1_G  TP01  [TP_040_T]  14.96 486.88 0 top
UNK16TP_LSOUT1_S  TP01  [TP_040_T]  234.09 176.05 90 top
UNK16TP_LSOUT2/SUSPEND1_G  TP01  [TP_040_T]  16.94 486.88 0 top
UNK16TP_LSOUT2/SUSPEND1_S  TP01  [TP_040_T]  234.09 178.59 180 top
UNK16TP_LSOUT2/SUSPEND_F  TP01  [TP_040_T]  18.92 486.88 0 top
UNK16TP_NCHG/ATB0_F  TP01  [TP_040_T]  233.93 233.58 0 top
UNK16TP_NCHG/ATB0_G  TP01  [TP_040_T]  233.93 229.18 0 top
UNK16TP_NCHG/ATB0_S  TP01  [TP_040_T]  237.13 231.38 0 top
UNK16TP_NPG/ATB1_F  TP01  [TP_040_T]  226.47 233.58 0 top
UNK16TP_NPG/ATB1_G  TP01  [TP_040_T]  226.47 229.18 0 top
UNK16TP_NPG/ATB1_S  TP01  [TP_040_T]  229.67 233.58 0 top
UNK16TP_NTC  TP01  [TP_040_T]  237.13 167.9 0 top
UNK16TP_REF_5V  TP01  [TP_040_T]  20.9 486.88 0 top
UNK16TP_SCL  TP01  [TP_040_T]  252.06 144.52 180 top
UNK16TP_SDA  TP01  [TP_040_T]  248.86 144.52 180 top
UNK16TP_SHPHLD_F  TP01  [TP_040_T]  236.63 176.05 90 top
UNK16TP_SHPHLD_S  TP01  [TP_040_T]  236.63 178.59 270 top
UNK16TP_SW_F  TP01  [TP_040_T]  231.9 146.72 180 top
UNK16TP_SW_S  TP01  [TP_040_T]  234.44 146.72 180 top
UNK16TP_VBAT_F  TP01  [TP_040_T]  252.06 228.18 0 top
UNK16TP_VBAT_S  TP01  [TP_040_T]  248.86 228.18 0 top
UNK16TP_VBUS_F  TP01  [TP_040_T]  244.6 146.72 180 top
UNK16TP_VBUS_S  TP01  [TP_040_T]  242.06 146.72 180 top
UNK16TP_VDDIO_F  TP01  [TP_040_T]  229.36 141.64 180 top
UNK16TP_VDDIO_S  TP01  [TP_040_T]  226.82 141.64 180 top
UNK16TP_VEST  TP01  [TP_040_T]  223.28 209.26 0 top
UNK16TP_VOUT_F  TP01  [TP_040_T]  226.82 146.72 180 top
UNK16TP_VOUT_S  TP01  [TP_040_T]  229.36 146.72 180 top
UNK16TP_VSYS_F  TP01  [TP_040_T]  242.06 141.64 180 top
UNK16TP_VSYS_S  TP01  [TP_040_T]  244.6 141.64 180 top
UNK16U1  ADR4550BRZ-SOIC8  [SO8_195X127MM]  246.32 238.02 180 bottom
UNK038NC-GRIFFI18R-A100  REF-CODE-PCB  [PCB_CODE]  196.48 484.41 0 top
UNK730-03146-001_FP-ATE  REF-CODE-SOCKET  [SOCKET_CODE]  129.17 486.39 0 top
UNK980NC-GRIFFI-1C4  REF-CODE-PCB  [PCB_CODE]  96.85 472.67 0 top
UNK*  TP01  [unnamed#2]  252.06 225.98 0 top
UNK*#2  TP01  [unnamed#2]  252.06 230.38 0 top
USER_5V1  LDG-2-S8  [LED_0805]  71.76 111.83 90 top
USER_12V1  LDG-2-S8  [LED_0805]  17.15 126.05 90 top
USER_-5V1  LDG-2-S8  [LED_0805]  82.68 110.3 90 top

## Library data of the parts
